# Allegro board STARRYSKY.brd (continued)
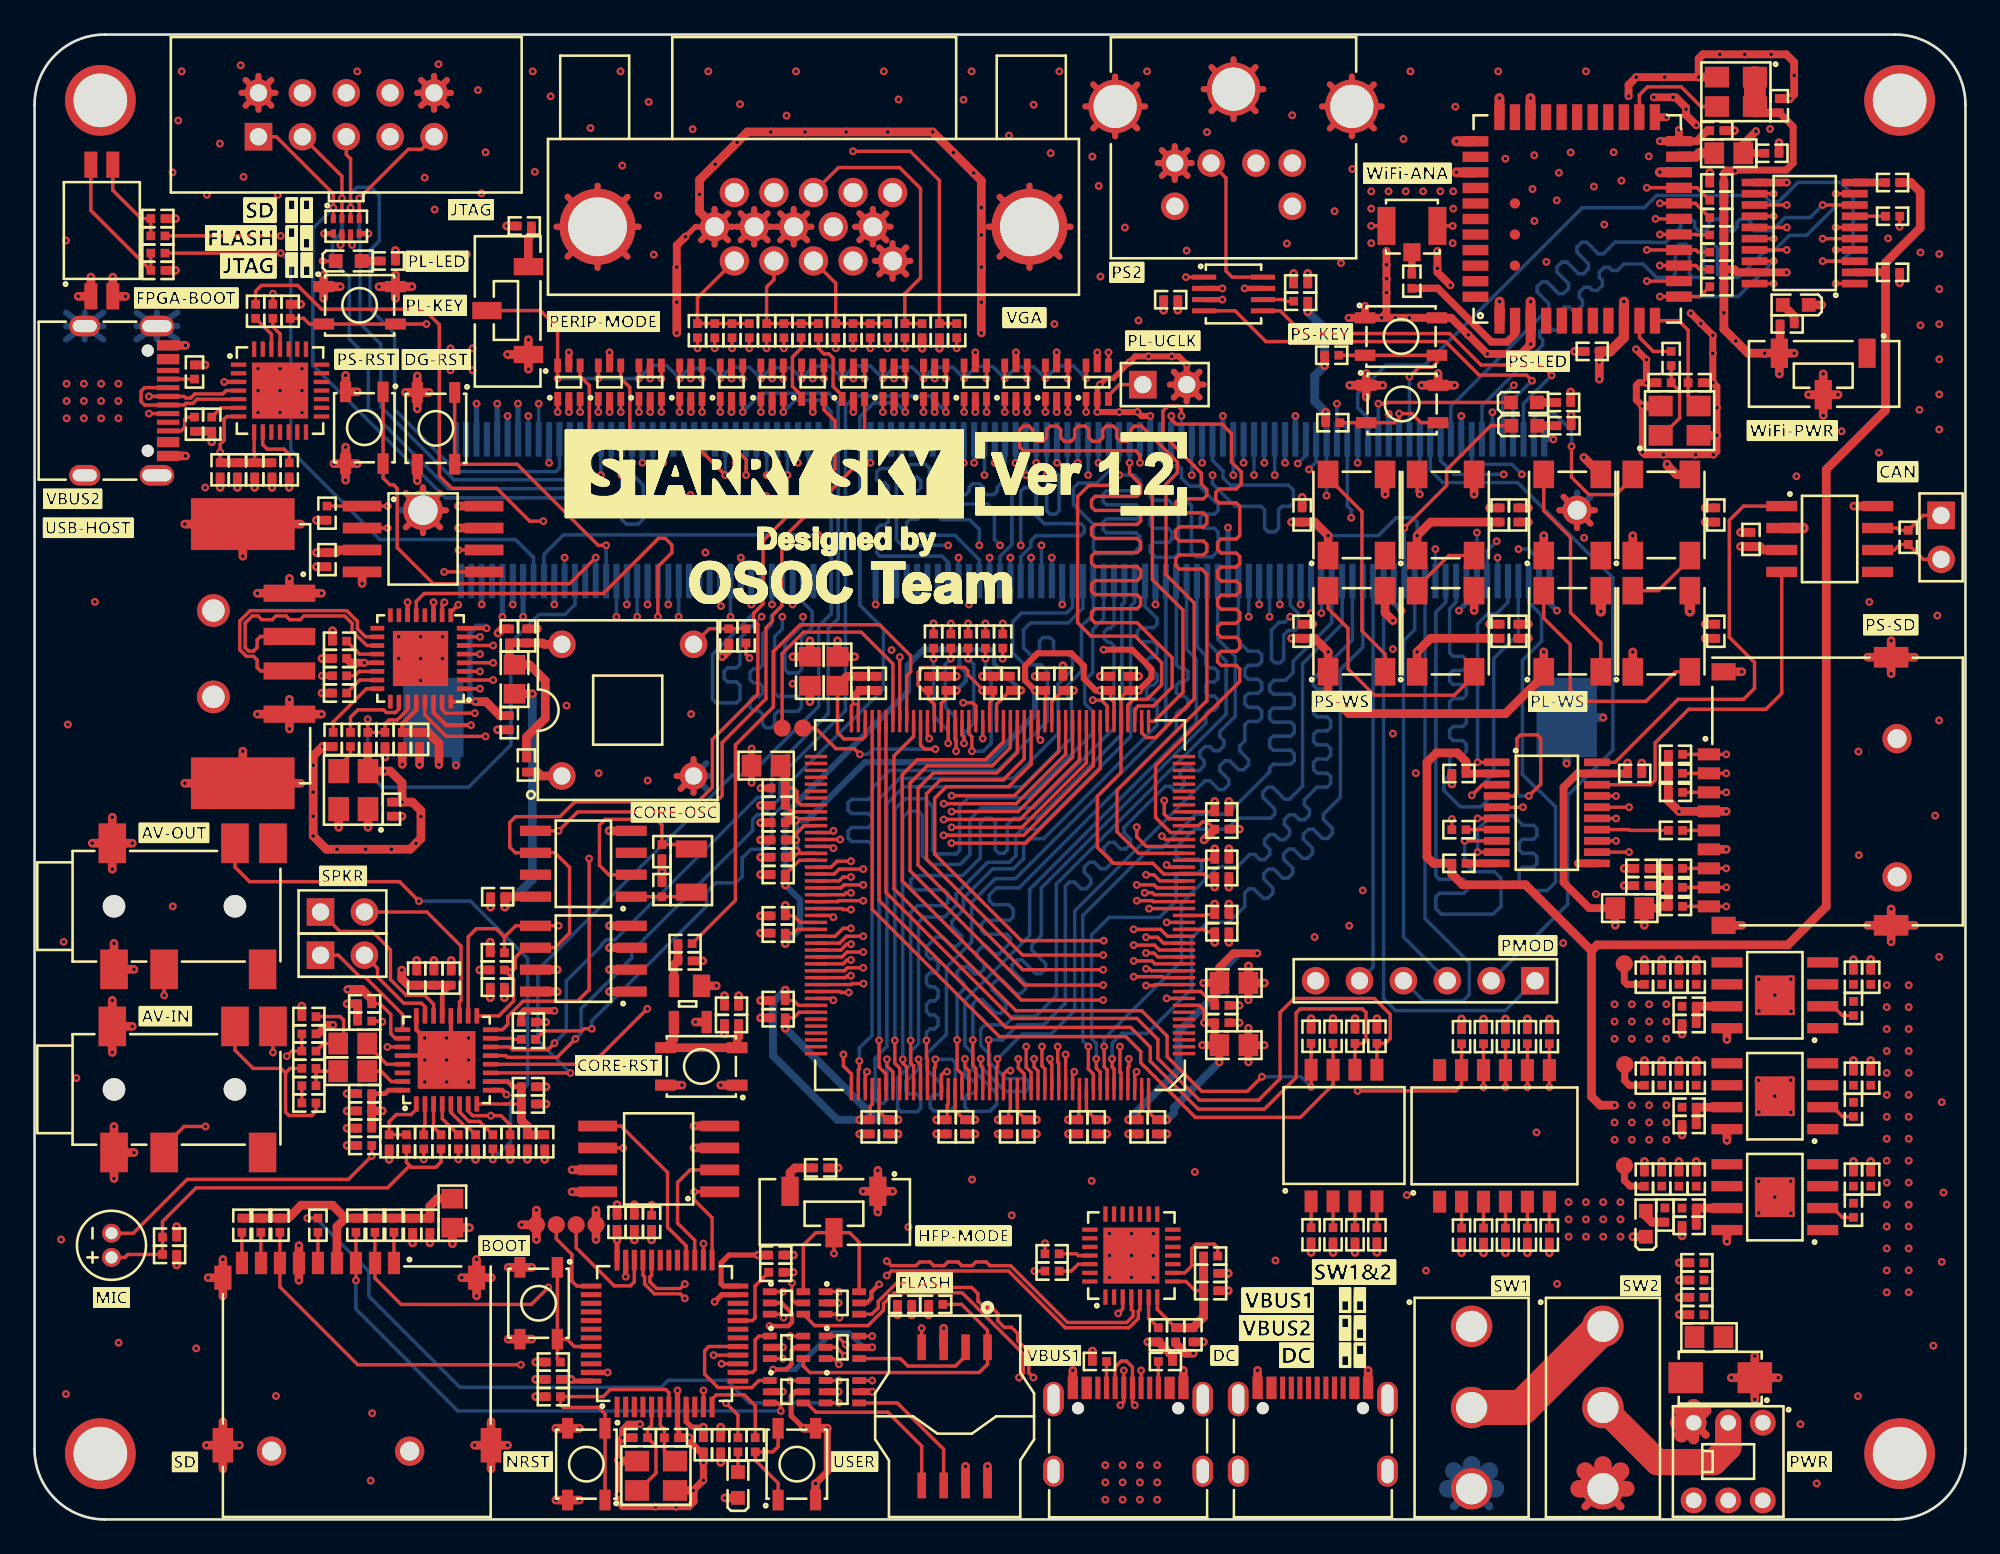
[diagram p0: board, top side]
## Routing (per net, layer and track width the routed paths; a pad name or vN(x,y) marks a point on that pad's centre or on a via; arc(x,y) is an arc through that point) (continued)
  PWR04 w0.203: v1(53.03,51.86) 51.09,49.92 51.09,49.41 50.68,49 50.68,48.99 45.33,43.64 45.33,11.33 v1(43.31,9.31)
SPI_CS1: length 76.5
  TOP w0.203: R28.2 v1(54.03,51.86) ; R45.2 J4.2 19.7,13.97 21.22,12.45 28.75,12.45 v1(29.73,13.43)
  PWR04 w0.203: v1(54.03,51.86) 53.29,52.61 51.16,52.61 48.95,50.4 41.28,50.4 41.21,50.32 41.19,50.32 40.92,50.06 40.92,48.57 42.75,46.75 42.75,41.21 42.38,40.83 41.87,40.83 41.26,40.22 41.26,17.1 38.25,14.09 37.45,14.09 36.79,13.43 v1(29.73,13.43)
SPI_MISO: length 93.9
  TOP w0.203: v1(46.56,8.98) 46.22,9.31 U12.3 ; R26.2 v1(56.04,51.86) ; v1(28.15,8.95) 18.71,8.95 14.2,13.46 J4.7 R48.2
  PWR04 w0.203: v1(28.15,8.95) 28.99,9.79 33.95,9.79 35.56,8.19 39.83,8.19 43.25,4.78 44.74,4.78 46.11,6.15 46.59,6.15 47,6.55 47,8.53 v1(46.56,8.98) 47.21,8.98 47.5,9.27 47.5,20.23 46.36,21.37 46.36,27.41 49.86,30.91 49.86,44.98 52.35,47.48 52.35,48.49 53.53,49.68 53.53,50.43 53.92,50.81 54.98,50.81 v1(56.04,51.86)
SPI_MOSI: length 84.1
  TOP w0.203: R46.2 J4.3 v1(18.6,13.84) ; v1(43.19,6.28) 43.19,6.54 42.99,6.74 U11.3 ; R27.2 v1(55.03,51.86)
  PWR04 w0.203: v1(43.19,6.28) 45.85,8.94 45.85,15.16 45.81,15.2 45.81,15.58 45.85,15.62 45.85,27.58 49.1,30.82 49.1,45.3 51.59,47.8 51.59,48.36 52.53,49.3 52.53,50.28 53.55,51.3 54.47,51.3 v1(55.03,51.86)
  BOTTOM w0.203: v1(43.19,6.28) 24.5,6.28 18.6,12.18 v1(18.6,13.84)
SYS_RST: length 32.1
  TOP w0.203: R24.1 40.57,35.84 40.57,44.83 42.75,47.02 42.75,50.23 44.31,51.79 48.92,51.79 50.71,50 50.71,49.06 50.48,48.84 U3.80
VGA_B: length 7.2
  TOP w0.203: R111.2 R109.2 R108.2 R106.2 46.37,71.56 J14.3
VGA_B0: length 7.2
  TOP w0.203: U25.1 v1(49.1,64.1) ; R106.1 v1(46.37,67.79)
  ART03 w0.203: v1(49.1,64.1) 48.02,65.18 46.56,65.18 46.22,65.53 46.22,67.64 v1(46.37,67.79)
VGA_B1: length 7.4
  TOP w0.203: U26.1 v1(51.45,64.1) ; R108.1 v1(47.37,67.79)
  ART03 w0.203: v1(51.45,64.1) 50.66,64.9 49.52,64.9 48.57,65.84 48.57,66.59 v1(47.37,67.79)
VGA_B2: length 8.6
  TOP w0.203: R109.1 v1(48.37,67.79) ; U27.1 v1(53.8,64.1)
  ART03 w0.203: v1(48.37,67.79) 49.64,66.53 50.57,66.53 50.88,66.22 50.88,65.76 51.51,65.13 52.78,65.13 v1(53.8,64.1)
VGA_B3: length 10.1
  TOP w0.203: U28.1 v1(56.15,64.1) ; R111.1 v1(49.37,67.79)
  ART03 w0.203: v1(49.37,67.79) 50.15,67.01 50.81,67.01 51.27,66.55 53.03,66.55 53.28,66.3 53.28,65.56 54.11,64.72 55.54,64.72 v1(56.15,64.1)
VGA_G: length 6.8
  TOP w0.203: J14.2 42.79,71.77 42.37,71.35 R112.2 R113.2 R114.2 R115.2
VGA_G0: length 6.4
  TOP w0.203: U30.1 v1(39.69,64.1) ; R112.1 v1(42.37,67.79)
  ART03 w0.203: v1(42.37,67.79) 41.51,66.94 41.51,65.49 41.27,65.24 40.83,65.24 v1(39.69,64.1)
VGA_G1: length 6
  TOP w0.203: R113.1 v1(43.37,67.79) ; U31.1 v1(42.04,64.1)
  ART03 w0.203: v1(42.04,64.1) 43.52,65.59 43.53,65.59 43.8,65.86 43.8,65.86 43.87,65.93 43.87,67.3 v1(43.37,67.79)
VGA_G2: length 4
  TOP w0.203: U32.1 44.39,65.06 43.87,65.59 43.87,67.29 44.37,67.79 R114.1
VGA_G3: length 4.3
  TOP w0.203: R115.1 45.37,67.79 45.69,67.47 45.98,67.47 46.22,67.23 46.22,65.59 46.74,65.06 U33.1
VGA_HSYNC: length 11.4
  TOP w0.203: R110.2 v1(50.37,67.79) ; U39.1 v1(58.51,64.1)
  ART03 w0.203: v1(50.37,67.79) 50.7,67.47 51.04,67.47 51.43,67.07 56.19,67.07 56.8,66.46 56.8,65.81 v1(58.51,64.1)
VGA_R: length 7.5
  TOP w0.203: R119.2 R118.2 R117.2 R116.2 38.37,70.71 J14.1
VGA_R0: length 11.3
  TOP w0.203: v1(30.28,64.1) U34.1 ; R116.1 v1(38.37,67.79)
  ART03 w0.203: v1(30.28,64.1) 30.28,64.6 30.81,65.13 32.4,65.13 35.06,67.79 v1(38.37,67.79)
VGA_R1: length 9.9
  TOP w0.203: R117.1 v1(39.37,67.79) ; U35.1 v1(32.63,64.1)
  ART03 w0.203: v1(39.37,67.79) 38.9,67.33 35.35,67.33 32.63,64.61 v1(32.63,64.1)
VGA_R2: length 8.8
  TOP w0.203: U36.1 v1(34.98,64.1) ; R118.1 v1(40.37,67.79)
  ART03 w0.203: v1(34.98,64.1) 35.65,64.78 36.3,64.78 36.74,65.22 36.74,66.17 37.47,66.89 39.47,66.89 v1(40.37,67.79)
VGA_R3: length 7.5
  TOP w0.203: R119.1 v1(41.37,67.79) ; U37.1 v1(37.33,64.1)
  ART03 w0.203: v1(41.37,67.79) 40.09,66.51 39.5,66.51 39.16,66.17 39.16,65.25 38.47,64.56 37.79,64.56 37.66,64.43 37.66,64.43 v1(37.33,64.1)
VGA_VSYNC: length 11.1
  TOP w0.203: U38.1 v1(60.86,64.1) ; R107.2 v1(53.37,67.79)
  ART03 w0.203: v1(60.86,64.1) 59.16,65.81 59.16,66.61 57.65,68.12 53.7,68.12 v1(53.37,67.79)
YSYX_UART_DN: length 27.8
  TOP w0.203: U7.3 43.15,11.88 v1(43.36,11.68) ; U8.5 63.98,12.15 63.89,12.05 63.89,11.64 63.34,11.1 59.66,11.1 56.37,14.38 49.59,14.38 v1(49.33,14.12)
  ART03 w0.203: v1(49.33,14.12) 49.06,14.38 48.77,14.38 48.43,14.03 48.43,12.23 46.79,10.6 45.29,10.6 44.82,11.06 44.82,11.48 44.62,11.68 v1(43.36,11.68)
YSYX_UART_DP: length 27.3
  TOP w0.203: U6.3 46.38,11.88 v1(46.59,11.68) ; v1(49.33,14.95) 49.59,14.69 51.02,14.69 51.23,14.9 51.83,14.9 52.04,14.69 52.64,14.69 52.86,14.9 53.45,14.9 53.67,14.69 54.27,14.69 54.48,14.9 55.08,14.9 55.3,14.69 56.5,14.69 59.78,11.4 63.22,11.4 63.58,11.77 63.58,12.05 63.48,12.15 U8.4
  ART03 w0.203: v1(46.59,11.68) 45.33,11.68 45.12,11.48 45.12,11.19 45.41,10.9 46.66,10.9 48.12,12.36 48.12,14.16 48.65,14.69 49.06,14.69 v1(49.33,14.95)
YSYX_UART_RX: length 32.3
  TOP w0.203: R49.2 v1(57.87,14.38) ; v1(63.8,40.07) 63.8,39.51 64.35,38.96 U3.31
  ART03 w0.203: v1(57.87,14.38) 57.87,16.02 58.52,16.66 58.52,24.9 60.15,26.53 60.15,34.71 63.8,38.36 v1(63.8,40.07)
YSYX_UART_TX: length 28.5
  TOP w0.203: v1(65.25,39.55) 65.45,39.36 U3.32 ; R50.2 v1(58.49,15.99)
  ART03 w0.203: v1(58.49,15.99) 59.36,16.86 59.36,24.26 60.75,25.65 60.75,26 60.54,26.21 60.54,34.37 65.25,39.08 v1(65.25,39.55)
N00440: length 2.8
  TOP w0.508: R7.1 R1.2 U1.7
N09341: length 2.5
  TOP w0.508: R24.2 R18.2 37,32.1 U5.2
N12849: length 7.3
  TOP w0.508: U5.3 37,27.79 SW6.4 SW6.3 40.67,27.86 40.75,27.94 R25.2
N20091: length 6.3
  TOP w0.203: v1(53.75,47.27) 54.29,47.27 54.48,47.09 U3.70 ; R26.1 v1(56.04,49.82)
  PWR04 w0.203: v1(53.75,47.27) 54.07,47.6 54.07,48.66 54.68,49.27 55.48,49.27 v1(56.04,49.82)
N20140: length 8.8
  TOP w0.203: v1(54.25,44.47) 54.25,45.3 54.08,45.48 U3.71 ; R27.1 v1(55.03,49.82)
  BOTTOM w0.203: v1(55.03,49.82) 55.03,49.37 55.36,49.04 55.36,44.92 54.91,44.47 v1(54.25,44.47)
N20190: length 7.2
  TOP w0.203: U3.72 53.68,45.41 53.79,45.3 v1(53.79,44.93) ; R28.1 v1(54.03,49.82)
  BOTTOM w0.203: v1(53.79,44.93) 53.79,45.51 54.36,46.07 54.36,49.5 v1(54.03,49.82)
N20241: length 8.1
  TOP w0.203: v1(53.34,44.47) 53.34,45.12 53.28,45.17 U3.73 ; R29.1 v1(53.03,49.82)
  BOTTOM w0.203: v1(53.03,49.82) 52.71,49.5 52.71,47.03 53.34,46.4 v1(53.34,44.47)
N20293: length 7.1
  TOP w0.203: R30.1 v1(52.03,49.82) ; U3.74 v1(52.88,44.93)
  BOTTOM w0.203: v1(52.88,44.93) 52.88,45.66 52.03,46.51 v1(52.03,49.82)
N20346: length 10.8
  TOP w0.203: v1(47.77,44.29) 47.44,44.62 46.39,44.62 45.2,45.81 TP4.1 ; v1(52.14,44.59) 51.52,44.59 51.28,44.83 U3.78
  BOTTOM w0.203: v1(47.77,44.29) 48.22,44.29 48.52,44.59 v1(52.14,44.59)
N020480: length 1.5
  TOP w0.508: R2.1 93.62,17.21 93.26,17.57 LED1.1
N20568: length 15.3
  TOP w0.203: TP5.1 43.27,50.12 44.51,51.36 47.85,51.36 49.68,49.53 U3.82
N47247: length 11.5
  TOP w0.508: J2.8 29.49,50.66 29.41,50.73 C9.1 C8.1 27.48,49.77 L1.1 28.65,49.47 29.56,48.55 29.56,46.38 28.47,45.29 R8.2
N86942: length 1.8
  TOP w0.203: J4.1 R44.2
N86952: length 16.5
  TOP w0.508: 17.99,17.44 17.5,16.95 J4.4 ; 17.99,17.44 R46.1 R45.1 R44.1 21.4,17.44 21.4,17.44 C68.1 C69.1 22.88,18.13 23.32,18.57 L7.1 ; 17.99,17.44 17.24,18.19 15.43,18.19 14.68,17.44 R48.1 R51.1 R52.1
N87161: length 1.8
  TOP w0.203: J4.8 R51.2
N87165: length 1.8
  TOP w0.203: J4.9 R52.2
N88472: length 1.8
  TOP w0.203: J4.5 R47.2
N105628: length 1.8
  TOP w0.203: R50.1 60.3,15.38 60.4,15.28 U8.25
N109895: length 1.5
  TOP w0.203: SW5.5 R37.2
N109899: length 1.5
  TOP w0.203: SW5.6 R39.2
N122427: length 1.9
  TOP w0.203: R49.1 60.01,14.38 60.4,14.77 U8.26
N125522: length 9.6
  TOP w0.203: C66.1 64.98,12.16 U8.7 ; U8.8 66.65,13.77 67.18,13.24 R43.2
  TOP w0.508: C66.1 C65.1 67.66,11.71 R43.2 R42.2 R53.1
N129276: length 2
  TOP w0.203: U8.6 64.48,11.66 C67.1
N130573: length 4.4
  TOP w0.203: U8.9 66.57,14.28 66.98,14.68 66.98,15.67 67.24,15.94 68.27,15.94 68.48,15.73 R53.2
N266605: length 3.4
  TOP w0.203: R6.1 C7.1 39.04,51.56 J2.5
N270643: length 2.1
  TOP w0.508: R8.1 29.11,43.26 29.33,43.04 J2.1
N423791: length 8.6
  TOP w0.203: SW12.4 3.26,75.77 R64.1 R68.1
N423795: length 5.4
  TOP w0.203: SW12.3 4.53,76.94 6.17,75.3 R60.1 R70.1
N429557: length 1.8
  TOP w0.203: U29.15 27.63,27.85 27.69,27.79 R126.2
N429653: length 10.4
  TOP w0.203: J19.1 17.68,34.03 19.54,34.03 20.6,32.98 20.6,31.25 21.51,30.34 22.58,30.34 23.1,29.83 U29.22
N429657: length 10.5
  TOP w0.203: J19.2 22.71,35.16 24.68,33.19 24.68,30.06 24.6,29.97 U29.19
N429811: length 8.4
  TOP w0.203: U29.8 27.23,24.05 27.23,24.05 C126.1
  TOP w0.279: C128.1 27.69,25.05 27.39,25.35 U29.10
  TOP w0.508: R123.2 C127.1 28.53,22.75 28.18,23.11 C126.1 C128.1
N431069: length 1.5
  TOP w0.203: R73.2 J8.A5
N431077: length 2.1
  TOP w0.203: J8.B5 8.48,63.01 8.69,63.23 8.69,63.68 8.82,63.81 R74.1
N431628: length 13.8
  TOP w0.203: C85.1 12.74,61.65 12.71,61.69 U17.8 ; R77.2 v1(10.74,61.78) 10.74,62.24 10.97,62.47 10.97,63.69 11.13,63.85 U17.7
  TOP w0.508: C86.1 C85.1 R76.2 R77.2 ; R84.1 v1(14.74,59.74)
  ART03 w0.203: v1(10.74,61.78) 12.7,61.78 v1(14.74,59.74)
N431648: length 3
  TOP w0.203: R84.2 14.74,61.65 14.44,61.96 13.47,61.96 13.21,62.22 U17.9
N431656: length 1.9
  TOP w0.203: R78.1 13.8,69.04 14.21,68.63 U17.25
N431784: length 2.2
  TOP w0.203: U17.26 13.71,68.61 R80.1
N431936: length 1.8
  TOP w0.203: U17.6 10.8,64.35 C88.1
N433168: length 25.5
  TOP w0.508: R69.1 94.02,36.59 93.92,36.69 C82.1 ; R69.1 R71.1 94.07,35.49 93.97,35.39 L8.1 v1(93.17,34.39) ; R69.1 R67.1 93.93,37.69 93.92,37.69 C81.1 ; v1(97.92,40.99) J6.4 v1(95.18,40.99) 94.57,41.6 R62.1 R61.1 R63.1
  ART03 w0.508: v1(97.92,40.99) 99.02,39.88 99.02,35.46 97.93,34.37 93.66,34.37 93.63,34.39 v1(93.17,34.39)
N433298: length 1.5
  TOP w0.203: R66.2 J6.5
N435237: length 1.8
  TOP w0.457: R72.2 U16.10
N436006: length 1.8
  TOP w0.203: R75.2 U16.7
N437148: length 4
  TOP w0.203: U18.24 19.21,48.09 17.28,46.16 R87.2
N438146: length 2.1
  TOP w0.203: C93.1 18.81,50.09 U18.20
N441316: length 2.1
  TOP w0.203: R83.1 18.81,48.59 U18.23
N441707: length 1.9
  TOP w0.203: U18.22 18.8,49.09 18.55,48.84 R82.1
N443308: length 4.4
  TOP w0.203: R81.2 18.28,46.44 18.71,46.86 20.2,46.86 20.36,46.71 20.83,46.71 20.89,46.71 21.09,46.91 U18.26
N443312: length 1.7
  TOP w0.203: R81.1 18.28,44.28 17.6,43.59 X2.3
N449849: length 17.4
  TOP w0.203: R107.1 C115.1 52.37,77.51 50.68,79.2 v1(47.37,79.2)
  ART03 w0.203: v1(47.37,79.2) J14.14
N449853: length 16.5
  TOP w0.203: C116.1 R110.1 50.37,70.96 51.28,71.87 51.28,77.04 50.07,78.25 46.53,78.25 J14.13
N498562: length 1.5
  TOP w0.203: J1.A5 R3.2
N498570: length 1.5
  TOP w0.203: R5.1 J1.B5
N507684: length 5.8
  TOP w0.203: SW10.1 43.04,2.1 41.71,3.43 R55.2 42.73,3.91 43.04,4.22 SW10.2
N507712: length 3.5
  TOP w0.203: X1.3 36.45,3.99 C74.1 36.45,5.22 36.21,5.46 U13.6
N507720: length 5.6
  TOP w0.203: U13.5 35.71,5.46 35.47,5.22 C72.1 35.97,4.24 35.97,2.68 34.97,1.68 X1.1
N507990: length 1.2
  TOP w0.203: LED2.1 R58.1
N508938: length 4.9
  TOP w0.203: R58.2 40.71,6.05 v1(40.02,6.74) ; U13.11 v1(38.71,7.47)
  ART03 w0.203: v1(40.02,6.74) 39.29,7.47 v1(38.71,7.47)
N520743: length 2.5
  TOP w0.508: R41.2 44,20.35 43.73,20.08 SW7.3
N533515: length 4.2
  TOP w0.203: U15.6 107.64,56.12 107.97,56.44 R65.1 109.31,55.58 J7.2
N533519: length 4.1
  TOP w0.203: J7.1 109.31,58.12 R65.2 107.93,57.26 107.8,57.39 U15.7
N535194: length 1.8
  TOP w0.457: R91.2 U19.10
N535292: length 1.8
  TOP w0.203: R96.2 U19.7
N539544: length 8.2
  TOP w0.432: C97.2 81.22,71.26 84.32,68.16 85.24,68.16 85.69,68.62 U20.2
N540075: length 1.3
  TOP w0.432: C97.1 79.72,72.57 79.72,72.57 J11.1
N541878: length 4.8
  TOP w0.203: X4.1 94.22,62.75 95.22,63.75 95.22,65.31 C98.1 R99.1
N541882: length 6.8
  TOP w0.203: X4.3 95.71,65.06 C101.1 95.71,68.84 95.15,69.39 U20.11
N555405: length 2.1
  TOP w0.584: U20.21 96.16,78.88 96.36,79.08 L9.1
N555409: length 10.1
  TOP w0.457: v1(99.64,80.35) 98.9,79.62 L9.2 C107.1 ; U20.23 v1(94.44,81.17)
  ART03 w0.457: v1(94.44,81.17) 94.44,80.24 95.04,79.64 98.92,79.64 v1(99.64,80.35)
N555842: length 6.4
  TOP w0.203: U20.24 92.89,82.46 93.36,82.93 95.31,82.93 96.45,81.79 X3.3
N559792: length 1.1
  TOP w0.508: R85.2 LED3.1
N560183: length 1.1
  TOP w0.508: R86.2 LED4.1
N568477: length 4.3
  TOP w0.203: LED7.4 80.02,53.96 81.85,55.79 LED6.2
N568969: length 12.8
  TOP w0.203: LED9.2 78.17,50.09 76.83,51.43 76.83,58.33 74.87,60.29 LED8.4
N569394: length 13.6
  TOP w0.203: LED9.4 74.87,52.73 76.02,51.58 76.02,49.24 77.55,47.71 82.17,47.71 83.32,48.86 LED7.2
N575792: length 11.2
  TOP w0.203: X5.2 37.75,39.07 C113.1 36.31,40.19 35.98,40.53 33.04,40.53 32.7,40.19 32.7,37.86 33.24,37.32 U23.2
N575796: length 3.6
  TOP w0.203: X5.1 37.75,36.05 C111.1 U23.1
N596135: length 14.3
  TOP w0.203: U29.26 20.88,27.85 20.62,28.11 20.62,29.23 20,29.85 C133.2
  TOP w0.279: U29.21 23.6,30.41 R127.2
  TOP w0.508: v1(21.25,31.8) 21.25,31.3 21.63,30.93 C134.2 C132.2 R127.2 ; v1(18.13,30.68) 18.94,30.68 19.52,30.1 C133.2
  ART03 w0.203: v1(21.25,31.8) 20.13,30.68 v1(18.13,30.68)
N600861: length 7.1
  TOP w0.203: J17.1 17.58,32.66 18.82,31.42 19.12,31.42 21.3,29.24 U29.25
N600865: length 5.6
  TOP w0.203: J17.2 19.85,31.9 19.85,31.4 21.36,29.89 22.39,29.89 22.6,29.68 U29.23
N602553: length 2
  TOP w0.203: U29.3 23.1,22.7 C129.1
N602557: length 2.2
  TOP w0.203: C130.1 23.6,23.2 U29.4
N602617: length 2.9
  TOP w0.203: C131.1 25.76,23.04 25.23,23.04 25.22,23.04 25.14,23.04 24.6,23.58 U29.6
N602621: length 2.4
  TOP w0.203: C135.1 25.11,22.69 24.97,22.69 24.1,23.56 U29.5
N602759: length 3.1
  TOP w0.203: U29.27 v1(20.42,27.35) ; C123.2 20.02,28.85 20.06,28.81 v1(20.13,28.81)
  ART03 w0.203: v1(20.42,27.35) 20.42,28.06 20.13,28.35 v1(20.13,28.81)
N603164: length 3.9
  TOP w0.203: U29.1 22.1,23.74 21.8,23.44 20.93,23.44 20.52,23.03 C124.2 R124.1
N603722: length 24.4
  TOP w0.203: 21.72,20.48 21.53,20.67 R124.2 ; 21.72,20.48 21.81,20.38 23.22,20.38 23.53,20.69 C129.2 ; 21.72,20.48 20.43,19.19 9.35,19.19 7.41,17.25 C125.2 R122.2 5.4,15.34 5.23,15.17 MIC1.1
N604056: length 24
  TOP w0.203: C130.2 v1(24.53,20.84) ; MIC1.2 5.71,16.57 8.83,19.69 18.17,19.69 v1(19.52,21.04) R125.1
  PWR04 w0.203: v1(24.53,20.84) 23.42,21.95 20.43,21.95 v1(19.52,21.04)
N605478: length 2.3
  TOP w0.203: C137.1 20.05,25.95 20.65,25.35 U29.31
N605508: length 2.6
  TOP w0.203: C138.1 19.25,27.48 20.38,26.35 U29.29
N605721: length 12.1
  TOP w0.203: J18.4 7.5,21.59 8.66,22.75 v1(9.89,22.75) ; v1(14.6,26.82) 14.89,27.11 R132.2 C140.2
  ART03 w0.203: v1(9.89,22.75) 11.33,22.75 14.6,26.02 v1(14.6,26.82)
N605770: length 4.6
  TOP w0.203: R133.1 17.69,29.11 17.89,28.91 17.89,27.87 C138.2 16.73,27.55 R132.1
N605987: length 1
  TOP w0.203: C139.1 R129.2
N605991: length 10.6
  TOP w0.203: J18.5 11.6,27.16 12.65,26.11 14.27,26.11 14.53,25.85 ; C139.2 16.29,23.62 16.05,23.38 14.73,23.38 14.53,23.58 14.53,25.85 ; 14.53,25.85 14.79,26.11 R130.2
N607551: length 2.3
  TOP w0.203: R129.1 R130.1 16.45,25.95 C137.2
N608509: length 1.8
  TOP w0.203: C136.1 22.53,22.75 22.6,22.83 U29.2
N608513: length 25.1
  TOP w0.203: C136.2 v1(22.53,20.84) ; J16.4 v1(7.5,30.34)
  ART03 w0.203: v1(7.5,30.34) 9.32,28.51 9.32,22.69 9.44,22.57 9.44,22.56 10.89,21.1 18.23,21.1 18.99,21.86 21.5,21.86 v1(22.53,20.84)
N608822: length 33.6
  TOP w0.203: J16.5 11.6,37.76 12.45,36.92 21.12,36.92 v1(22.25,35.79) ; C131.2 v1(26.53,20.84)
  BOTTOM w0.203: v1(22.25,35.79) 25.23,35.79 28.54,32.48 28.54,25.17 27.55,24.19 27.55,21.87 v1(26.53,20.84)
N609651: length 2.4
  TOP w0.508: SW18.3 28.58,74.21 28.76,74.39 R120.2
N615277: length 2
  TOP w0.203: U1.2 104.1,18.02 104.63,17.49 R4.2
N624567: length 2.8
  TOP w0.508: R10.1 R9.2 U2.7
N624767: length 2
  TOP w0.203: R11.2 104.64,23.33 104.1,23.86 U2.2
N629111: length 2.8
  TOP w0.508: R14.1 R12.2 U4.7
N629261: length 2
  TOP w0.203: U4.2 104.1,29.7 104.64,29.17 R13.2
N634293: length 6.8
  TOP w0.457: SW3.3 96.73,4.9
  TOP w0.66: 96.73,6.31 SW3.3 96.03,4.67
  TOP w0.889: SW3.3 95.32,4.9 ; SW3.3 95.32,6.31 ; SW3.3 95.1,5.6 ; SW3.3 96.03,6.53
N645689: length 10.3
  TOP w1.524: SW2.2 93.94,3.32 97.18,3.32 98.03,4.16 SW3.2
N707098: length 3.1
  TOP w0.203: U20.10 92.89,68.41 93.69,67.61 R99.2
N717871: length 4.3
  TOP w0.203: LED12.2 95.81,55.59 93.97,53.76 LED11.4
N717951: length 12.8
  TOP w0.203: LED13.4 87.35,58.39 88.9,56.84 88.9,52.49 90.65,50.74 LED14.2
N717983: length 14.3
  TOP w0.203: LED14.4 87.35,52.17 88.88,50.64 88.88,48.03 89.55,47.36 93.27,47.36 94.98,49.06 LED11.2
N718003: length 1.1
  TOP w0.508: LED10.1 R101.2
N758097: length 1.4
  TOP w0.508: LED5.1 101.85,69.64 R90.1
N774966: length 1.8
  TOP w0.203: U22.6 72.3,70.61 72.39,70.52 R100.2
N1063390: length 1.5
  TOP w0.203: SW4.1 R15.2
N1063391: length 1.5
  TOP w0.203: SW4.2 R19.2
N1063394: length 1.5
  TOP w0.203: SW4.3 R20.2
N1063395: length 1.5
  TOP w0.203: SW4.4 R22.2
N1064041: length 1.5
  TOP w0.203: R31.2 SW5.2
N1064044: length 1.5
  TOP w0.203: R32.2 SW5.3
N1064045: length 1.5
  TOP w0.203: SW5.4 R35.2
N6456160: length 9.5
  TOP w2.032: SW2.1 86.08,6.48 SW1.2
N50833219: length 4
  TOP w0.203: U13.20 41.54,11.51 41.7,11.67 41.7,13.51 R59.1

## Copper pours and planes (outline as drawn; the poured copper is in the pictures)
5V_DC on TOP: 80.15,9.73 81.15,8.73 81.15,6.05 82.18,5.02 90.35,5.02 92.38,3 92.38,0.78 92.15,0.56 69.14,0.56 68.81,0.89 68.81,8.63 69.91,9.73
5V_IN on TOP: 97.45,9.51 98.88,9.51 99.39,10.02 108.08,10.02 109.01,10.95 109.01,30.99 108.72,31.28 102.65,31.28 102.58,31.28 102.12,30.82 102.12,16.07 101.21,15.17 96.42,15.17 96.37,15.11 96.37,11.6 96.43,11.53 96.78,11.53 97.07,11.25 97.07,9.89
5V_IN on BOTTOM: 14.3,61.27 19.42,56.15 24.98,56.15 25.47,55.66 25.47,52.61 25.22,52.36 20.26,52.36 18.58,50.69 18.58,39.89 23.19,35.29 25.15,35.29 28.13,32.31 28.13,23.68 29.43,22.38 73.46,22.38 79.82,28.73 86.79,28.73 92.19,34.13 92.19,62.71 93.68,64.19 110.78,64.19 111.17,63.8 111.17,3.36 108.43,0.61 108.07,0.61 107.99,0.53 87.86,0.53 87.34,1.05 87.34,6 86.1,7.24 53.66,7.24 48.37,12.53 27.2,12.53 7.77,31.95 7.77,62.56 8.41,63.2 13.9,63.2 14.3,62.79
5V_IN on BOTTOM: 23.52,68.13 25.66,68.13 25.95,67.85 25.95,65.58 25.24,64.87 25.24,61.27 25.2,61.23 24.24,61.23 23.32,62.14 23.32,67.93
5V_IN on PWR04: 17.84,68.38 25.53,68.38 25.92,67.99 25.92,65.96 23.6,63.64 23.6,63.64 20.14,60.18 20.14,60.17 19.97,60 19.97,59.13 19.65,58.81 9.78,58.81 9.41,59.18 9.41,59.96
5V_IN on PWR04: 106.45,27.75 110.91,27.75 111.2,28.04 111.2,59.05 110.51,59.73 85.89,59.73 83.97,57.81 83.97,46.73 89.32,41.39 89.32,39.28 92.4,36.2 92.46,36.2 93.44,35.23 98.98,35.23
5V_VBUS1 on TOP: 61.26,6.78 61.78,6.25 64.84,6.25 65.4,6.81 65.4,8.42 65.59,8.62 67.96,8.62 68.64,7.93 68.64,0.89 68.29,0.55 58.59,0.55 58.13,1 58.13,8.3 59.09,9.26 60.32,9.26 61.26,8.33
5V_VBUS1 on PWR04: 86.07,11.75 86.07,1.57 85.06,0.56 60.62,0.56 59.74,1.44 59.74,12.17 60.61,13.04 84.78,13.04
5V_VBUS2 on TOP: 8.49,66.83 6.64,66.83 6.64,66.82 5.8,65.99 5.8,63.76 6.91,62.65 8.81,62.65 9.49,61.97 9.49,59.91 9.2,59.61 9.19,59.61 8.89,59.31 1.29,59.31 0.61,59.99 0.61,69.57 0.96,69.91 9.27,69.91 9.64,69.54 9.64,67.97
5V_VBUS2 on BOTTOM: 26.82,12.02 47.97,12.02 53.53,6.46 86.02,6.46 87.01,5.47 87.01,1.09 86.45,0.54 4.22,0.54 4.18,0.58 3.41,0.58 0.71,3.28 0.71,66.39 1.39,67.08 6.78,67.08 7.46,66.4 7.46,31.38 ; 1 cut-out
AGND on ART03: 23.71,33.66 30.18,33.66 30.99,32.85 30.99,16.12 29.12,14.25 6.17,14.25 3.89,16.53 3.89,37.76 4.94,38.81 18.56,38.81
GND on TOP: 4.06,0.51 1.55,1.55 0.51,4.06 0.51,81.89 1.55,84.4 4.06,85.44 107.7,85.44 110.21,84.4 111.25,81.89 111.25,4.06 110.21,1.55 107.7,0.51 ; 68 cut-outs
GND on GND02, GND05: 4.06,0.51 1.55,1.55 0.51,4.06 0.51,81.89 1.55,84.4 4.06,85.44 107.7,85.44 110.21,84.4 111.25,81.89 111.25,4.06 110.21,1.55 107.7,0.51
VCC_1V2 on TOP: 91.5,27.11 99.06,27.11 99.32,27.37 99.32,31.16 99.06,31.42 96.87,31.42 96.69,31.24 91.44,31.24 91.24,31.04 91.24,27.37
VCC_1V2 on ART03: 70.49,33.13 96.57,33.13 96.97,32.72 96.97,26.11 96.62,25.76 69.78,25.76 68.99,26.55 68.99,31.63
VCC_1V8 on TOP: 91.48,21.26 99.05,21.26 99.3,21.51 99.3,25.31 99.05,25.56 96.87,25.56 96.7,25.4 91.41,25.4 91.23,25.21 91.23,21.51
VCC_1V8 on ART03: 89.52,21.29 94.74,21.29 94.99,21.55 94.99,24.53 94.74,24.78 89.52,24.78 89.26,24.53 89.26,21.55
VCC_3V3 on TOP: 99.03,15.4 99.28,15.65 99.28,19.45 99.03,19.7 96.77,19.7 96.63,19.56 88.71,19.56 88.4,19.25 88.4,15.79 88.79,15.4
VCC_3V3 on ART03: 87.85,15.75 93.07,15.75 93.33,16 93.33,18.99 93.07,19.24 87.85,19.24 87.6,18.99 87.6,16
VCC_3V3 on PWR04: 4.06,0.51 1.55,1.55 0.51,4.06 0.51,81.89 1.55,84.4 4.06,85.44 107.7,85.44 110.21,84.4 111.25,81.89 111.25,4.06 110.21,1.55 107.7,0.51 ; 16 cut-outs
VCC_WIFI on TOP: 100.07,66.06 102.01,66.06 102.26,66.31 102.26,68.25 102.01,68.51 100.07,68.51 99.81,68.25 99.81,66.31
VCC_WIFI on BOTTOM: 90.26,64.45 89.8,64.92 89.82,64.94 89.82,68.69 92.03,70.9 92.03,70.9 92.9,70.9 93.44,70.36 99.07,70.36 101.18,72.47 105.03,72.47 105.74,73.17 105.74,77 105.72,77 104.85,77.87 101.34,77.87 100.78,77.31 93.99,77.31 93.45,77.85 93.45,84.69 94.09,85.33 108.08,85.33 108.08,85.32 108.44,85.32 111.08,82.67 111.08,82.22 111.21,82.1 111.21,64.89 110.77,64.45
(no net) on BOTTOM: 4.06,0.51 1.55,1.55 0.51,4.06 0.51,81.89 1.55,84.4 4.06,85.44 107.7,85.44 110.21,84.4 111.25,81.89 111.25,4.06 110.21,1.55 107.7,0.51 ; 86 cut-outs
N634293 on TOP: 96.6,11.24 96.7,11.14 96.7,9.78 97.07,9.41 97.07,4.75 96.61,4.28 94.4,4.28 93.76,4.93 93.76,10.55 94.45,11.24

## Text on the board
User.5: FIGURE | SIZE | 8.0 | 27.56 | 35.43 | 39.37 | 43.31 | 51.18 | 66.93 | 70.87 | 98.43 | 122.05 | 133.86 | 55.12x27.56 | 66.93x27.56 | DRILL CHART: TOP to BOTTOM | ALL UNITS ARE IN MILS | PLATED | QTY | 1348 | 8 | 6 | 34 | 20 | 1 | 3 | 4 | 2
User.7: EAR_OUT | AV_IN | VBUS2 | USB_HOST | MIC | BOOT | SD | JTAG | QSPI | NAND | ON  OFF | ON  ON | OFF OFF | OFF ON | SPKR | PS_RST | DG_RST | PL_LED | PL_KEY | DIP_OSC | NRST | PERIP-SW | CORE_RST | USER | HFP-SW | FLASH | VBUS1 | VGA | PL_UCLK | DC | PMOD | SW1 | SW2 | PS2 | PS_KEY | PS_WS | WIFI_ANA | PS_LED | PL_WS | PS_SD | PWR | WIFI-SW
